# KiCad board Intro-to-CAD-2026 Shaina and Paola.kicad_pcb (continued)
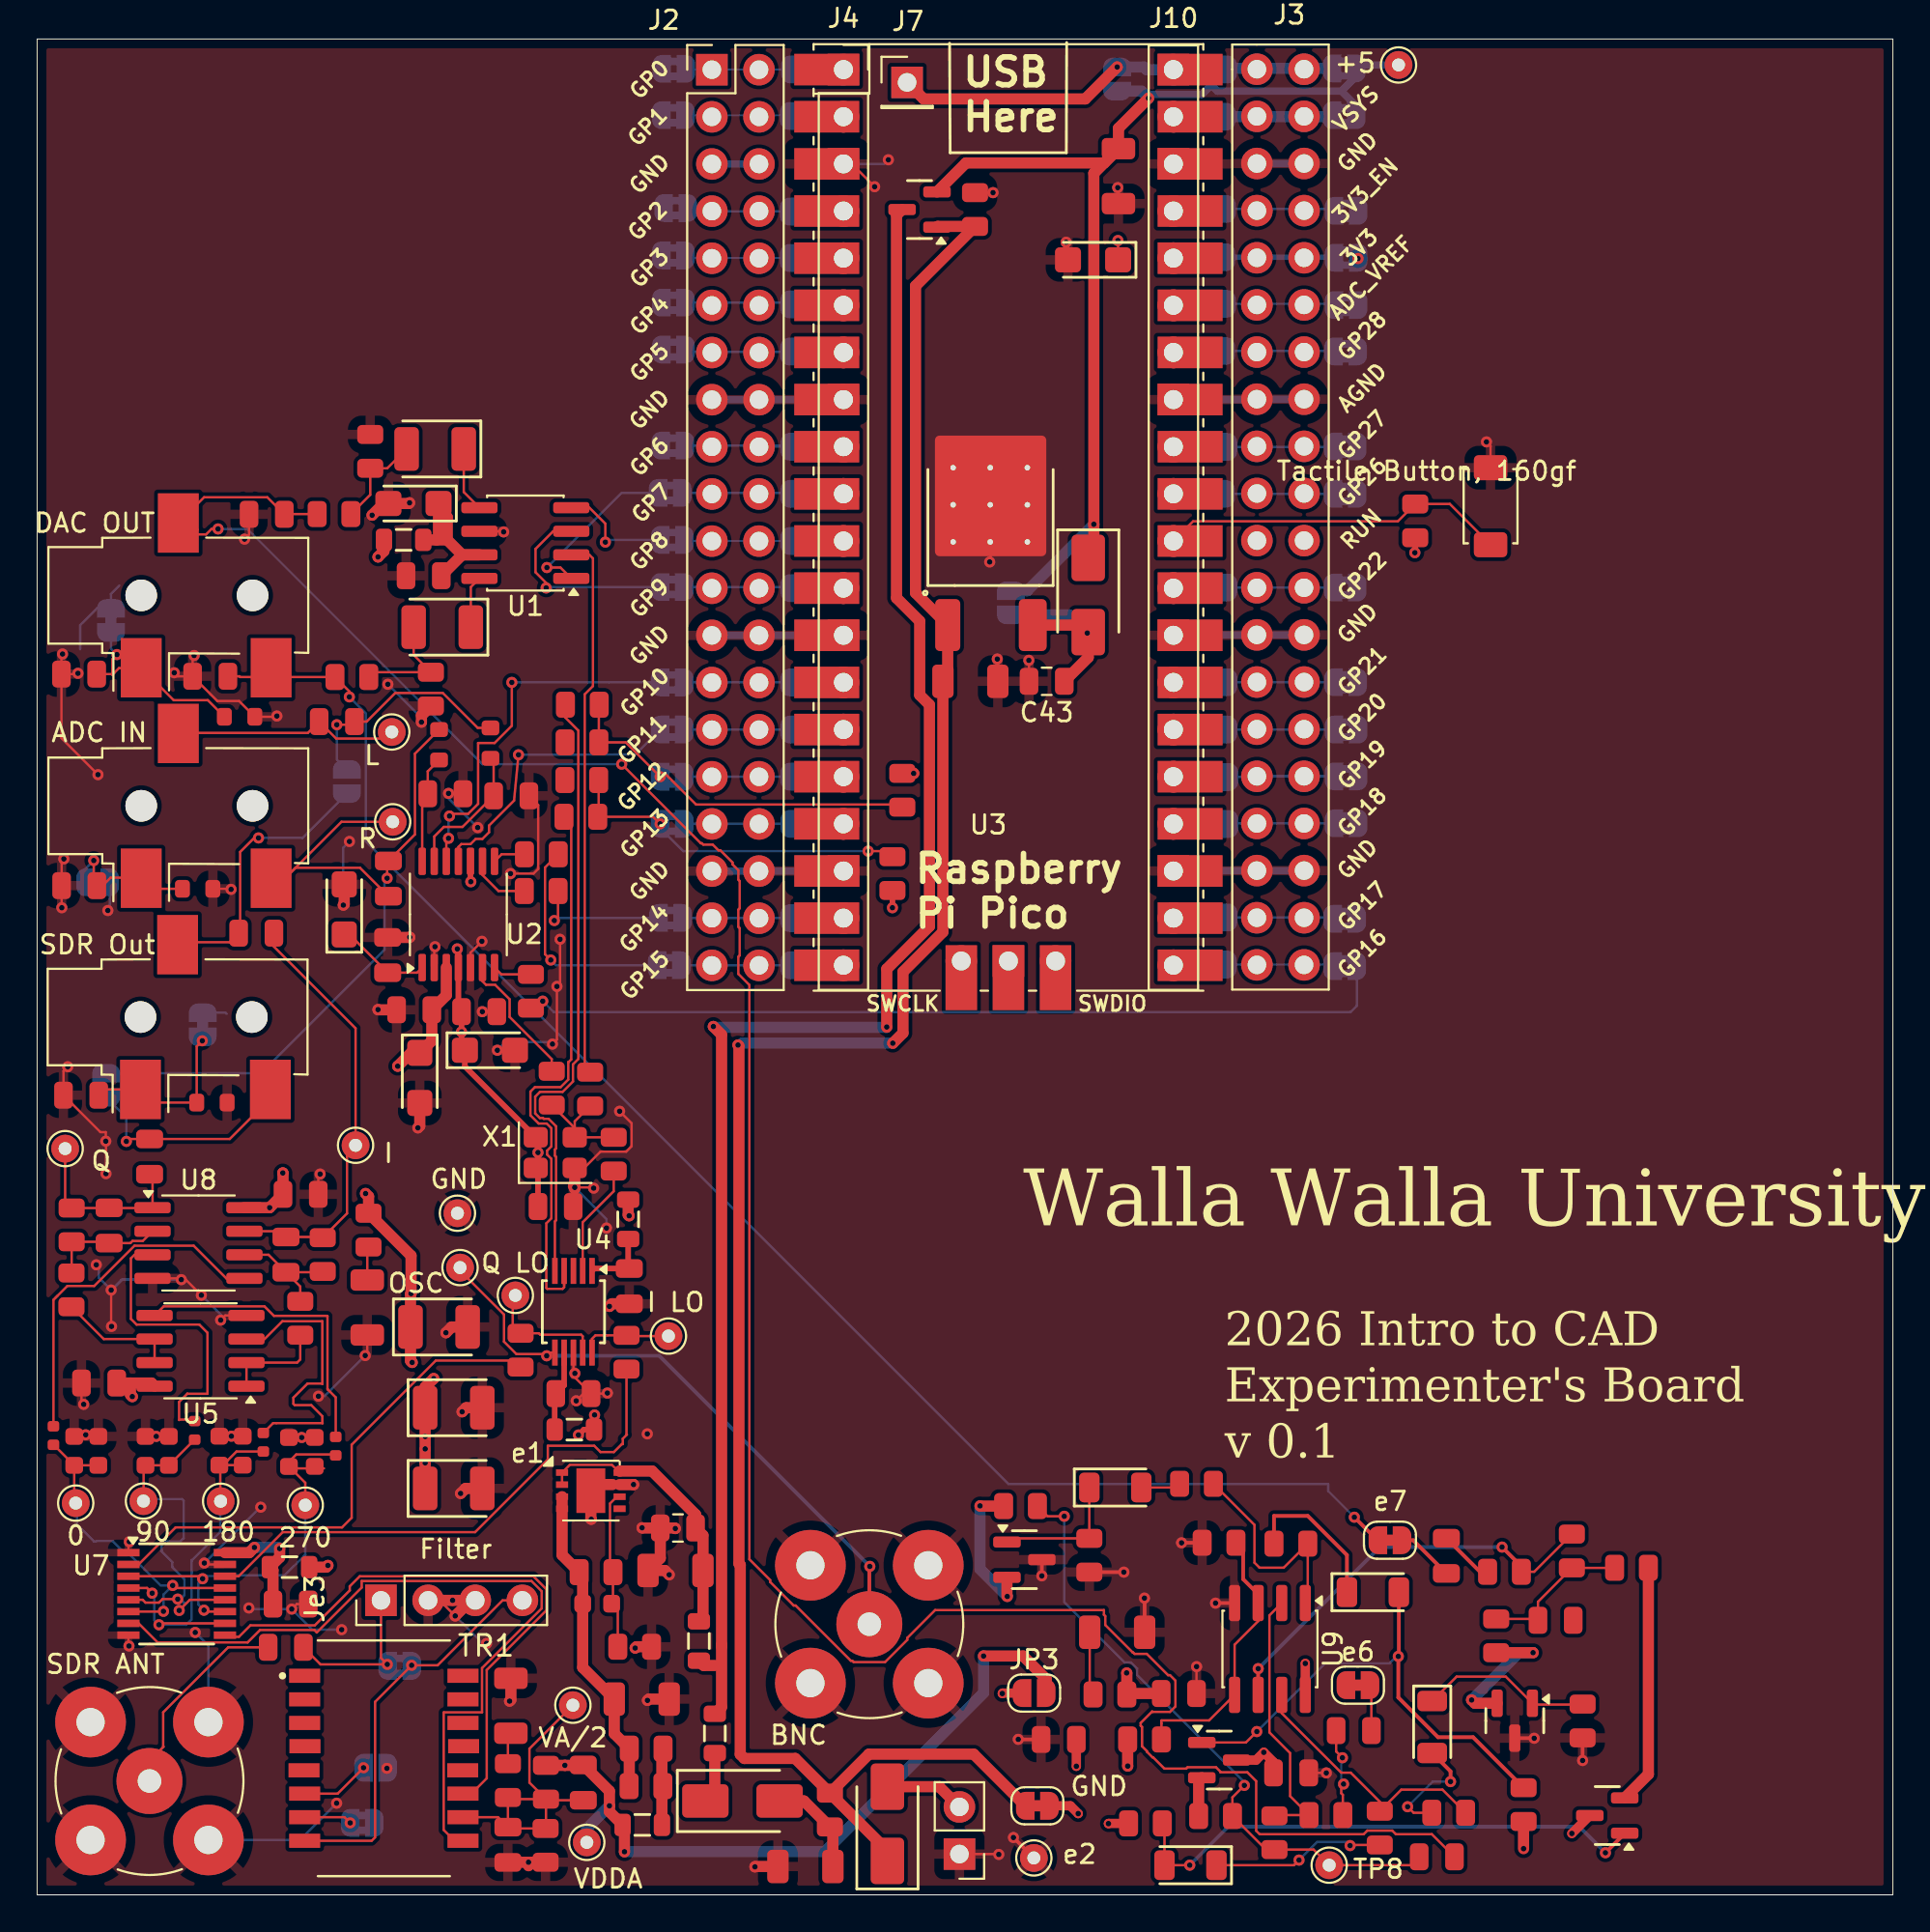
[diagram p0: board, top side]
## Footprints (pads in the part's own frame, mm; a bottom-side part is the same pattern mirrored in y, then rotated) (continued)
SOIC-8_3.9x4.9mm_P1.27mm
  rrect 1.95x0.6 smd: 1(-2.475,1.905) 2(-2.475,0.635) 3(-2.475,-0.635) 4(-2.475,-1.905) 5(2.475,-1.905) 6(2.475,-0.635) 7(2.475,0.635) 8(2.475,1.905)
SolderJumper-2_P1.3mm_Bridged2Bar_RoundedPad1.0x1.5mm
  custom 1x1.5 smd: 1(-0.65,0) 2(0.65,0)
SolderJumper-2_P1.3mm_Bridged_RoundedPad1.0x1.5mm
  custom 1x1.5 smd: 1(-0.65,0) 2(0.65,0)
SolderJumper-2_P1.3mm_Open_RoundedPad1.0x1.5mm
  custom 1x1.5 smd: 1(-0.65,0) 2(0.65,0)
SSOP-16_3.9x4.9mm_P0.635mm
  rect 1.2x0.4 smd: 1(-2.6,2.223) 2(-2.6,1.587) 3(-2.6,0.953) 4(-2.6,0.318) 5(-2.6,-0.318) 6(-2.6,-0.953) 7(-2.6,-1.587) 8(-2.6,-2.223) 9(2.6,-2.223) 10(2.6,-1.587) 11(2.6,-0.953) 12(2.6,-0.318) 13(2.6,0.318) 14(2.6,0.953) 15(2.6,1.587) 16(2.6,2.223)
SW_TS-1088-AR02016
  rrect 1.35x1.8 smd: 1(-2.075,0) 2(2.075,0)
TestPoint_THTPad_D1.5mm_Drill0.7mm
  round 1.5 hole 0.7: 1(0,0)
TO-252-2_L6.5-W6.1-P4.58-LS10.0-TL
  rrect 2.8x1.35 smd: 1(-3.48,2.29)
  rrect 2.8x1.5 smd: 3(-3.48,-2.29)
  round 0.5 hole 0.3: 4(1,2) 4(1,0) 4(1,-2) 4(3,2) 4(3,0) 4(3,-2) 4(5,2) 4(5,0) 4(5,-2)
  rrect 5x5 smd far side: 4(3,0)
  rrect 6.5x6 smd: 4(3.48,-0.02)
TSSOP-14_4.4x5mm_P0.65mm
  rrect 1.475x0.4 smd: 1(-2.862,1.95) 2(-2.862,1.3) 3(-2.862,0.65) 4(-2.862,0) 5(-2.862,-0.65) 6(-2.862,-1.3) 7(-2.862,-1.95) 8(2.862,-1.95) 9(2.862,-1.3) 10(2.862,-0.65) 11(2.862,0) 12(2.862,0.65) 13(2.862,1.3) 14(2.862,1.95)
XFMR_H1102NLT
  rect 1.67x0.76 smd: 1(-4.265,4.445) 2(-4.265,3.175) 3(-4.265,1.905) 4(-4.25,0.65) 5(-4.3,-0.65) 6(-4.265,-1.905) 7(-4.265,-3.175) 8(-4.265,-4.445) 9(4.265,-4.445) 10(4.265,-3.175) 11(4.265,-1.905) 12(4.25,-0.65) 13(4.3,0.65) 14(4.265,1.905) 15(4.265,3.175) 16(4.265,4.445)

## Nets
+3.3V: C8.1 C10.2 C39.1 C48.1 FB1.1 FB4.2 FB7.2 J2.3 J3.30 JP23.1 R15.1 R23.1 R29.1 U2.4 U2.10 X1.1 X1.4
+4.7V: C2.1 D3.1 JP2.2 JP20.1 JP21.1 JP35.2 JP50.2 Q1.2 TP25.1
/Raspberry_Pi_Pico/3V3_EN: JP22.1
GND: C2.2 C5.2 C6.2 C7.2 C8.2 C9.2 C10.1 C11.1 C12.2 C13.1 C14.2 C15.1 C16.2 C17.2 C19.2 C20.1 C22.2 C23.1 C24.2 C25.2 C26.2 C27.2 C30.1 C31.1 C33.2 C34.2 C35.2 C36.2 C37.2 C38.1 C39.2 C41.2 C42.2 C43.2 C44.2 C45.2 C48.2 C49.2 C50.1 C51.1 C52.1 C53.2 C54.2 C55.2 C56.1 C61.2 C63.2 e1.7 e1.9 e3.1 e4.1 e5.1 J2.8 J2.13 J2.18 J3.23 J3.28 J3.33 J3.38 J4.3 J4.8 J4.13 J4.18 J5.1 J8.2 J10.23 J10.28 J10.33 J10.38 J11.2 Je3.2 Je3.3 JP1.1 JP88.1 Q2.3 Q5.3 R4.1 R6.2 R14.2 R19.2 R28.2 R30.2 R31.2 R32.2 R43.2 R47.2 R52.1 S1.2 TP10.1 TP12.1 U1.6 U2.2 U2.5 U3.3 U3.8 U3.13 U3.18 U3.23 U3.28 U3.33 U3.38 U4.8 U5.4 U6.4 U7.1 U7.8 U7.15 U8.4 U9.4 X1.2
VDDA: C9.1 C13.2 C17.1 C30.2 C31.2 C32.1 C36.1 C37.1 FB3.2 FB5.2 JP3.2 R1.2 R11.1 TP26.1 U2.3 U5.8 U8.8
/BCK: JP83.2 R17.2
/CMOS Oscillator/LO_CLK: R36.1 U4.2
/CMOS Oscillator/SCKI: R35.2 U2.6
/CMOS Oscillator/SCLK: R34.1 U1.2
/DAC/VA/2: R52.2 R53.1 U9.3 U9.5
/DATA: JP82.2 R18.2
/FMT: JP78.2 U2.12
/I: C29.2 J12.R JP18.2
/I_CLK: R37.1 U7.14
/LRCK: JP77.2 U1.3
/MCLK: JP76.2 U1.4
/MD1: JP79.2 U2.11
/OSC_SCL: R25.1 U4.4
/OSC_SDA: R24.1 U4.5
/Q: C21.1 J12.T JP19.1
/Q_CLK: R38.1 U7.2
/Raspberry_Pi_Pico/ADC_VREF: JP24.1
/Raspberry_Pi_Pico/GPIO0: JP67.2
/Raspberry_Pi_Pico/GPIO1: JP68.2
/Raspberry_Pi_Pico/GPIO2: JP70.2
/Raspberry_Pi_Pico/GPIO3: JP71.2
/Raspberry_Pi_Pico/GPIO4: JP72.2
/Raspberry_Pi_Pico/GPIO5: JP73.2
/Raspberry_Pi_Pico/GPIO6: JP74.2
/Raspberry_Pi_Pico/GPIO12: JP80.2 R15.2 R24.2 R27.2
/Raspberry_Pi_Pico/GPIO13: JP81.2 R23.2 R25.2 R26.2
/Raspberry_Pi_Pico/GPIO17: JP33.1
/Raspberry_Pi_Pico/GPIO18: JP32.1
/Raspberry_Pi_Pico/GPIO19: JP31.1
/Raspberry_Pi_Pico/GPIO20: JP30.1
/Raspberry_Pi_Pico/GPIO21: JP29.1
/Raspberry_Pi_Pico/GPIO22: JP28.1
/Raspberry_Pi_Pico/GPIO26_ADC0: JP27.1
/Raspberry_Pi_Pico/GPIO27_ADC1: JP26.1
/Raspberry_Pi_Pico/GPIO28_ADC2: JP25.1
/Raspberry_Pi_Pico/RST: J10.30 R29.2 S1.1 U3.30
/SCL: R27.1
/SDA: R26.1
/SDIN: JP75.2 U1.1
/Si5351a/CLK2: J8.1 TP5.1 U4.6
/WS: JP34.1 R16.2
VAH: C41.1 D2.1 e2.2 Q1.1 R21.2 R28.1 U6.1
VAO: C56.2 C61.1 C63.1 e2.1 JP3.1 Q3.3 Q4.3 R39.1 R42.1 R46.1 R53.2 U9.8
Net-(C3-Pad2): C3.2 J1.R TP1.1
Net-(C4-Pad2): C4.2 J1.T TP2.1
Net-(C18-Pad2): C18.2 C29.1 R12.2 TP17.1 U8.7
Net-(C21-Pad2): C21.2 C28.2 R13.2 TP18.1 U8.1
Net-(C33-Pad1): C33.1 R11.2
Net-(C34-Pad1): C34.1 R10.2
Net-(C35-Pad1): C35.1 C40.1 e1.3 e1.4 R5.2 R7.1 R20.1
Net-(C42-Pad1): C42.1 D1.2 R21.1
Net-(C46-Pad2): C46.2 R22.1 R32.1
Net-(C47-Pad2): C47.2 R31.1 R33.1
Net-(C54-Pad1): C54.1 R39.2
Net-(C57-Pad2): C57.2 R44.2
Net-(C58-Pad2): C58.2 R51.1
Net-(C59-Pad1): C59.1 R40.1 R41.2 R45.2 TP8.1
Net-(C59-Pad2): C59.2 J9.R
Net-(C60-Pad1): C60.1 R48.1 R49.2 R50.2
Net-(C60-Pad2): C60.2 J9.T
Net-(D1-Pad1): D1.1 FB2.2
Net-(D4-Pad1): D4.1 R55.1
Net-(D5-Pad2): D5.2 R62.2
Net-(D6-Pad1): D6.1 R54.1
Net-(D7-Pad2): D7.2 R56.2
Net-(e1-EN): C5.1 C55.1 e1.1 e1.2 e1.8 FB6.2
Net-(e1-SENSE/ADJ): C40.2 e1.6 R5.1 R6.1
Net-(e3-B): C50.2 e3.2 J9.S R19.1
Net-(e4-B): C51.2 e4.2 J1.S R14.1
Net-(e5-B): C52.2 e5.2 J12.S R30.1
Net-(e6-A): C49.1 e6.1 R22.2
Net-(e6-B): C57.1 e6.2
Net-(e7-A): C58.1 e7.1
Net-(e7-B): C53.1 e7.2 R33.2
Net-(FB5-Pad1): FB5.1 R7.2 R20.2
Net-(J2-Pin_1): J2.1 JP51.2 JP67.1
Net-(J2-Pin_2): J2.2 JP52.2 JP68.1
Net-(J2-Pin_10): J2.10 JP58.2 JP75.1
Net-(J2-Pin_11): J2.11 JP59.2 JP76.1
Net-(J2-Pin_12): J2.12 JP60.2 JP77.1
Net-(J2-Pin_14): J2.14 JP61.2 JP78.1
Net-(J2-Pin_15): J2.15 JP62.2 JP79.1
Net-(J2-Pin_16): J2.16 JP63.2 JP80.1
Net-(J2-Pin_17): J2.17 JP64.2 JP81.1
Net-(J2-Pin_19): J2.19 JP65.2 JP82.1
Net-(J2-Pin_20): J2.20 JP66.2 JP83.1
Net-(J2-Pin_32): J2.9 JP57.2 JP74.1
Net-(J2-Pin_34): J2.7 JP56.2 JP73.1
Net-(J2-Pin_35): J2.6 JP55.2 JP72.1
Net-(J2-Pin_36): J2.5 JP54.2 JP71.1
Net-(J2-Pin_37): J2.4 JP53.2 JP70.1
Net-(J3-Pin_1): J3.40 JP20.2 JP35.1
Net-(J3-Pin_2): J3.39 JP21.2 JP36.1
Net-(J3-Pin_10): J3.31 JP27.2 JP42.1
Net-(J3-Pin_12): J3.29 JP28.2 JP43.1
Net-(J3-Pin_14): J3.27 JP29.2 JP44.1
Net-(J3-Pin_15): J3.26 JP30.2 JP45.1
Net-(J3-Pin_16): J3.25 JP31.2 JP46.1
Net-(J3-Pin_17): J3.24 JP32.2 JP47.1
Net-(J3-Pin_19): J3.22 JP33.2 JP48.1
Net-(J3-Pin_20): J3.21 JP34.2 JP49.1
Net-(J3-Pin_32): J3.32 JP26.2 JP41.1
Net-(J3-Pin_34): J3.34 JP25.2 JP40.1
Net-(J3-Pin_35): J3.35 JP24.2 JP39.1
Net-(J3-Pin_36): J3.36 JP23.2 JP38.1
Net-(J3-Pin_37): J3.37 JP22.2 JP37.1
Net-(J4-Pin_1): J4.1 JP51.1 U3.1
Net-(J4-Pin_2): J4.2 JP52.1 U3.2
Net-(J4-Pin_4): J4.4 JP53.1 U3.4
Net-(J4-Pin_5): J4.5 JP54.1 U3.5
Net-(J4-Pin_6): J4.6 JP55.1 U3.6
Net-(J4-Pin_7): J4.7 JP56.1 U3.7
Net-(J4-Pin_9): J4.9 JP57.1 U3.9
Net-(J4-Pin_10): J4.10 JP58.1 U3.10
Net-(J4-Pin_11): J4.11 JP59.1 U3.11
Net-(J4-Pin_12): J4.12 JP60.1 U3.12
Net-(J4-Pin_14): J4.14 JP61.1 U3.14
Net-(J4-Pin_15): J4.15 JP62.1 U3.15
Net-(J4-Pin_16): J4.16 JP63.1 U3.16
Net-(J4-Pin_17): J4.17 JP64.1 U3.17
Net-(J4-Pin_19): J4.19 JP65.1 U3.19
Net-(J4-Pin_20): J4.20 JP66.1 U3.20
Net-(J5-Pin_2): D2.2 J5.2
Net-(J10-Pin_1): J7.1 J10.40 JP50.1 U3.40
Net-(J10-Pin_2): J10.39 JP36.2 U3.39
Net-(J10-Pin_4): J10.37 JP37.2 U3.37
Net-(J10-Pin_5): J10.36 JP38.2 U3.36
Net-(J10-Pin_6): J10.35 JP39.2 U3.35
Net-(J10-Pin_7): J10.34 JP40.2 U3.34
Net-(J10-Pin_9): J10.32 JP41.2 U3.32
Net-(J10-Pin_10): J10.31 JP42.2 U3.31
Net-(J10-Pin_12): J10.29 JP43.2 U3.29
Net-(J10-Pin_14): J10.27 JP44.2 U3.27
Net-(J10-Pin_15): J10.26 JP45.2 U3.26
Net-(J10-Pin_16): J10.25 JP46.2 U3.25
Net-(J10-Pin_17): J10.24 JP47.2 U3.24
Net-(J10-Pin_19): J10.22 JP48.2 U3.22
Net-(J10-Pin_20): J10.21 JP49.2 U3.21
Net-(J11-In): C1.1 J11.1
Net-(JP1-B): JP1.2 TR1.7
Net-(JP2-A): C43.1 D3.2 JP2.1 U6.3
Net-(JP18-A): C3.1 JP18.1 R2.1
Net-(JP19-B): C4.1 JP19.2 R3.1
Net-(JP86-A): C1.2 Je3.1 JP86.1
Net-(JP86-B): Je3.4 JP86.2 TR1.8
Net-(JP88-B): JP88.2 TR1.6
Net-(Q1-D): FB2.1 FB6.1 Q1.3
Net-(Q2-B): D5.1 Q2.1 R43.1
Net-(Q2-E): Q2.2 R41.1
Net-(Q3-B): D4.2 Q3.1 R42.2
Net-(Q3-E): Q3.2 R40.2
Net-(Q4-B): D6.2 Q4.1 R46.2
Net-(Q4-E): Q4.2 R48.2
Net-(Q5-B): D7.1 Q5.1 R47.1
Net-(Q5-E): Q5.2 R49.1
Net-(R54-Pad2): R54.2 R56.1 U9.7
Net-(R55-Pad2): R55.2 R62.1 U9.1
Net-(TR1-C_RX): C20.2 C32.2 R1.1 R4.2 R10.1 TP11.1 TR1.10
Net-(TR1-RX+): TR1.11 U7.9
Net-(TR1-RX-): TR1.9 U7.7
Net-(U1-AOUTL): C47.1 U1.8
Net-(U1-AOUTR): C46.1 U1.5
Net-(U1-VDD): C12.1 C45.1 FB7.1 U1.7
Net-(U2-BCK): R17.1 U2.8
Net-(U2-DOUT): R18.1 U2.9
Net-(U2-LRCK): R16.1 U2.7
Net-(U2-VINL): C6.1 R2.2 U2.13
Net-(U2-VINR): C7.1 R3.2 U2.14
Net-(U2-VREF): C11.2 C44.1 U2.1
Net-(U4-CLK0): R37.2 TP3.1 U4.10
Net-(U4-CLK1): R38.2 TP4.1 U4.9
Net-(U4-VDD): C15.2 FB4.1 U4.1
Net-(U4-VDDO): C38.2 FB1.2 U4.7
Net-(U5A-+): R61.2 U5.3
Net-(U5A--): R8.1 U5.1 U5.2
Net-(U5B-+): R58.2 U5.5
Net-(U5B--): R9.1 U5.6 U5.7
Net-(U7-1B1): C16.1 C24.1 R60.1 TP14.1 U7.6 U7.13
Net-(U7-1B2): C14.1 C25.1 R59.1 TP16.1 U7.5 U7.12
Net-(U7-1B3): C19.1 C26.1 R61.1 TP6.1 U7.4 U7.10
Net-(U7-1B4): C22.1 C27.1 R58.1 TP7.1 U7.3 U7.11
Net-(U7-VCC): C23.2 FB3.1 U7.16
Net-(U8A-+): R59.2 U8.3
Net-(U8A--): C28.1 R9.2 R13.1 U8.2
Net-(U8B-+): R60.2 U8.5
Net-(U8B--): C18.1 R8.2 R12.1 U8.6
Net-(U9A--): R44.1 R45.1 U9.2
Net-(U9B--): R50.1 R51.2 U9.6
Net-(X1-OUT): R34.2 R35.1 R36.2 X1.3

Pads without a net: e1 5; TR1 1 2 3 4 5 12 13 14 15 16; U3 41 42 43; U4 3

## Via types
v1: diameter 0.6, hole 0.3, Top to Bottom, 199 vias
v2: diameter 0.5, hole 0.3, Top to In2.Cu, 10 vias

## Routing (per net, layer and track width the routed paths; a pad name or vN(x,y) marks a point on that pad's centre or on a via; arc(x,y) is an arc through that point)
+3.3V: length 28.4
  Top w0.127: v1(58.24,89.14) 58.25,89.13 C39.1
  Top w0.3: R29.1 74.26,72.34 v1(74.24,72.32) ; v1(22.64,50.97) 22.7,50.91 U2.4 22.7,47.76 C10.2 22.87,45.69 C8.1 23.05,44.64 X1.4 26.99,40.7 C48.1 ; U2.10 23.35,54.61 v1(23.37,54.59) ; 46.13,53.92 46.09,53.96 R23.1 v1(46.09,53.19) ; FB1.1 29.46,25.07 v1(29.17,24.78)
  Top w0.6: v1(47.23,60.43) 47.23,60.43 R15.1 ; v1(18.37,72.09) 18.69,72.41 FB7.2 ; FB4.2 31.85,36.64 v1(31.9,36.59)
  In2.Cu w0.3: 29,25.78 29.08,25.86 v1(30.04,25.86) 29.17,24.99 v1(29.17,24.78)
  Bottom w0.3: v1(71.18,88.17) 71.18,88.17 JP23.1
  Bottom w0.4: J2.3 J2.3
  vias: v1(22.87,46.5) v1(26.99,40)
+4.7V: length 63.2
  Top w0.6: C2.1 57.5,93.32 50.05,93.32 Q1.2 ; C2.1 56.94,92.76 v1(56.94,73.85) 56.94,72.34 D3.1 ; C2.1 58.27,95.19 v1(59.89,96.81)
  Bottom w0.127: 60.15,96.89 59.97,96.89 v1(59.89,96.81) ; 62.85,97.6 JP35.2
  Bottom w0.4: 63.27,97.51 62.77,97.01 60.09,97.01 v1(59.89,96.81) ; 63.27,97.51 62.85,97.94 JP35.2 ; 63.27,97.51 63.6,97.19 70.28,97.19 ; 70.28,97.19 71.08,96.39 JP21.1 ; 70.28,97.19 71.08,97.99 JP20.1 71.27,98.6 TP25.1
  Bottom w0.6: JP50.2 59.51,97.19 v1(59.89,96.81) ; JP2.2 53.36,70.27 v1(56.94,73.85) ; JP35.2 62.9,98.36 62.92,98.38
GND: length 263.1
  Top w0.127: v1(1.37,66.86) 1.31,66.8 C50.1 ; v1(45.13,92.04) 43.9,93.27 U3.3 ; C38.1 28.98,27.88 v1(28.98,28.1) 28.9,28.18 U4.8 ; C38.1 30.7,27.01 v1(30.73,27.04) ; C38.1 29.52,27.01 ; C38.1 29.44,27.01 v1(29.05,26.62) ; C49.2 11.42,73.29 v1(11.18,73.05) ; v1(29.99,38.08) 29.95,38.12 v1(28.97,38.12) ; C6.2 27,58.72 27,55.28 26.75,55.03 v1(25.51,55.03) ; v1(27.77,45.84) 28.01,46.08 v1(28.01,48.95) 28.18,49.12 v1(28.18,51.49) ; R14.2 10.42,54.21 v1(10.45,54.18) ; v1(9.01,17.88) 9.08,17.8 U7.15 ; v1(12.92,63.52) 12.88,63.48 R19.2 10.88,64.33 9.71,64.33 C53.2 ; v1(4.95,13.41) 4.92,13.44 U7.8 ; v1(58.23,91.99) 58.27,91.95 C2.2 ; v1(22.17,59.35) 22.19,59.33 C7.2 ; v1(62.48,12.3) 62.48,12.29 C56.1 62.48,11.35 ; v1(9.89,30.97) 10.14,31.22 U5.4 ; C53.2 7.58,65.66 v1(7.39,65.85) ; C53.2 8.38,66.7 v1(8.46,66.78) ; S1.2 78.32,78.07 v1(78.1,78.29) ; C33.2 17.79,29.17 v1(17.68,29.06) ; v1(3.99,32.59) 3.99,30.65 v1(4.01,30.63) ; R28.2 51.63,91.72 51.68,91.77 ; C41.2 51.77,66.56 v1(51.74,66.59) ; U7.1 4.92,18.98 v1(4.97,19.03) ; Je3.2 21.69,15.87 v1(22.53,15.03) ; 14.98,24.54 14.88,24.64 C27.2 ; 2.63,24.7 2.63,24.78 v1(2.62,24.79) ; 2.63,24.7 C16.2 ; 2.63,24.7 C14.2 ; C48.2 28.89,38.58 30.36,40.05 31.74,40.05 32.03,40.34 32.03,41.58 v1(31.39,42.22) ; v1(23.97,51.38) 23.35,50.76 U2.5 ; C8.2 v1(24.8,45.51) ; C43.2 53.45,66.51 v1(53.44,66.52) ; C50.1 2.16,65.78 v1(2.2,65.82) ; C50.1 1.31,62.33 v1(3.28,60.36) ; 1.71,54.46 1.71,53.87 ; U2.2 21.4,51.05 v1(21.44,51.09) ; v1(13.72,15.4) 13.99,15.67 C23.1 ; U8.4 7.7,33.22 v1(7.77,33.15) 8.01,33.15 v1(8.85,32.31) ; v1(1.33,53.19) 1.32,53.2 C51.1 1.32,55.7 v1(1.44,55.82) ; C26.2 C22.2 ; R30.2 10.4,42.69 ; v1(3.71,38.86) 3.71,40.6 v1(3.7,40.61) 3.7,41.1 3.41,41.1 C52.1 1.42,44.39 v1(1.65,44.62) ; C39.2 55.55,88.95 v1(55.45,89.05) ; 49.16,16.62 J8.2 ; v1(2.51,26.43) 2.39,26.55 C31.1 ; 68.08,7.02 C61.2 69.46,6.57 v1(69.47,6.57) ; U6.4 51.38,71.87 v1(51.33,71.82) ; 23.83,73.47 25.11,73.47 v1(25.14,73.44) ; C30.1 15.15,38.74 v1(15.25,38.84) ; C19.2 v1(6.42,24.7) C25.2 ; 83.19,8.44 83.2,8.43 ; C10.1 v1(23.99,47.59) ; 49.91,1.99 J5.1 51.8,2.2 v1(51.82,2.18)
  Top w0.2: v1(61.67,18.97) 61.67,18.97 R52.1 ; R47.2 v1(83.28,7.24) ; TP12.1 v1(52.61,3.09) ; v1(59.67,15.99) 59.68,15.98 C54.2 ; R43.2 v1(58.56,17.39) ; Q5.3 80.67,8.44 v1(80.67,8.44) ; C63.2 52.87,8.37 v1(52.87,8.38) ; 64.53,15.72 63.51,15.72 v1(63.5,15.72) ; Q2.3 v1(54.14,17.19)
  Top w0.6: v1(32.6,19.78) 32.61,19.77 C55.2 ; e1.7 32.14,22.1 v1(32.14,22.11) ; R6.2 32.3,13.37 v1(32.23,13.3) ; v1(29.86,20.24) 29.84,20.26 e1.9 30.17,22.11 31,22.11 ; v1(26.48,1.76) 26.48,1.57 ; v1(26.48,1.76) R4.1 ; v1(26.48,1.76) 25.38,1.76 C20.1 ; v1(22.03,30.29) 22.34,30.6 C17.2 ; Je3.2 Je3.3 23.37,15.87 v1(22.53,15.03) ; v1(20.07,75.01) 20.03,74.97 C45.2 18.68,74.97 v1(18.05,74.34) ; C37.2 23.09,21.9 v1(22.82,21.63) ; C36.2 23.12,26.25 v1(22.9,26.03) ; C11.1 20.07,51.59 v1(20.08,51.6) ; 28.9,38.19 v1(28.97,38.12) 28.97,38.05 X1.2 ; v1(38.68,1.51) 38.7,1.53 C42.2 ; v1(20.71,63.19) 20.71,63.55 R31.2 21.15,64.06 21.13,64.04 ; v1(34.39,19.74) 34.36,19.77 C55.2 ; v1(16.5,53.33) 16.55,53.38 C44.2 ; v1(30.84,31.71) 30.98,31.85 C15.1 ; v1(32.89,10.48) 32.96,10.55 C35.2 ; C13.1 18.38,47.69 v1(18.37,47.7) ; C55.2 33.58,18.14 C5.2 33.83,17.48 v1(34.06,17.25) ; v1(25.46,10.44) 25.53,10.51 C34.2 ; v1(20.52,41.33) 20.62,41.43 C9.2
  In2.Cu w0.6: v1(32.14,22.11) 32.14,24.1 v1(32.88,24.84)
  Bottom w0.127: v1(16.5,53.33) 16.5,56.43 v1(16.83,56.76) ; v1(9.89,30.97) 9.89,31.27 v1(8.85,32.31) ; v1(23.74,57.51) 22.17,59.08 v1(22.17,59.35) ; v1(16.14,4.94) 14.16,2.96 J11.2 ; v1(18.9,65.23) 20.71,63.42 v1(20.71,63.19) ; v1(3.19,33.95) 3.33,33.81 3.33,33.25 v1(3.99,32.59) 4.55,33.15 v1(7.77,33.15) 4.59,33.15 4.11,32.67 ; v1(3.81,53.04) 3.91,53.34 e4.1 ; v1(30.68,35.93) 30.68,36.41 v1(28.97,38.12) ; v1(22.53,15.03) 24.01,13.55 v1(24.22,13.55) ; 2.32,67.12 2.32,68.41 3.22,69.32 e3.1 3.98,70.1 4.43,70.55 ; v1(27.77,45.84) 27.65,45.96 25.25,45.96 v1(24.8,45.51) ; J11.2 9.23,13.43 v1(8.52,14.14) ; 10.21,47.47 10.15,47.53 e5.1 ; v1(16.41,14.29) 14.83,14.29 v1(13.72,15.4) 11.47,15.4 v1(11.41,15.46) ; v1(15.16,26.87) 15.49,26.87 v1(17.68,29.06) ; U3.3 45.65,93.27 v1(45.87,93.49) ; U6.4 51.36,71.85 v1(51.33,71.82) ; v1(12.05,20.89) 12.02,20.89 v1(9.01,17.88)
  Bottom w0.4: J3.23 61.25,55.19 U3.23 ; J2.18 43.44,55.16 U3.18 ; J3.38 J3.38 ; J2.8 43.44,80.56 U3.8 ; J3.33 J3.33 65.41,80.59 65.39,80.57 U3.33 ; U3.13 43.44,67.86 J2.13 ; U3.28 61.25,67.89 J3.28
  Bottom w0.6: JP88.1 18.88,6.85 v1(18.85,6.82)
  vias: v1(10.47,24.71) v1(14.26,24.64) v1(22.39,15.87) v1(51.51,91.72)
VDDA: length 70.3
  Top w0.6: 5.03,27.58 5.03,26.95 v1(5.13,26.85) ; 5.03,27.58 6.16,27.58 U5.8 ; 5.03,27.58 C31.2 ; v1(13.24,38.9) 13.25,38.89 C30.2 v1(12.53,37.03) U8.8 ; R1.2 v1(28.44,6.98) 29.41,6.98 C32.1 30.84,5.59 v1(30.84,4.8) 30.84,4.48 FB5.2 31.65,3.67 v1(31.65,2.32) ; FB3.2 15.58,17.66 v1(15.67,17.75) ; 54.37,10.87 54.37,11.63 53.14,12.87 v1(51,12.87) ; v1(20.21,28.69) 20.12,28.78 C17.1 20.12,32.37 v1(20.15,32.4) 20.15,34.44 R11.1 17.86,37.63 v1(17.7,37.79) ; 20.91,22.21 C37.1 v1(20.91,23.28) v1(20.91,24.7) C36.1 20.91,27.36 v1(21.37,27.82) ; v1(19.43,44.65) 20.15,45.37 C9.1 21.27,46.02 C13.2 22.05,48.47 U2.3
  Bottom w0.6: v1(31.65,2.32) 42.45,2.32 51,10.87 v1(51,12.87) ; v1(30.84,4.8) 29.62,3.58 TP26.1
  vias: v1(20.91,24.03)
(no net): length 14.7
  Top w0.127: 8.66,73.56 8.42,73.8 8.42,73.9 ; 16.05,65.62 10.94,65.62 10.9,65.66 10.28,65.66 ; 7.61,73.92 9,75.31 12.4,75.31 13.32,74.39 13.33,74.4 15.09,74.4
/BCK: length 12
  Top w0.127: v1(27.68,50.37) 27.37,50.68 27.37,55.36 R17.2
  Bottom w0.127: v1(27.68,50.37) 27.96,50.09 JP83.2
/CMOS Oscillator/LO_CLK: length 6.1
  Top w0.127: R36.1 31.07,37.91 29.4,36.24 U4.2
/CMOS Oscillator/SCKI: length 7.4
  Top w0.127: U2.6 24,49.23 24.19,49.04 24.68,49.04 25.46,48.25 25.46,47.3 27.73,45.04 R35.2
/CMOS Oscillator/SCLK: length 29.4
  Top w0.127: 29.95,44.48 R34.1 29.51,44.62 29.51,64.69 29.95,65.13 29.95,72.01 29.76,72.2 U1.2
/DAC/VA/2: length 14.8
  Top w0.127: R53.1 60.58,9.23 60.58,9.24 60.58,9.38 60.6,9.4 63.15,9.4 U9.5 64.53,13.48 65.8,14.75 65.8,15.72
  Top w0.2: R52.2 64.99,18.58 64.99,17.01 65.8,16.2 65.8,15.72
/DATA: length 7.3
  Top w0.127: v1(27.87,52.5) 28.07,52.7 R18.2
  Bottom w0.127: v1(27.87,52.5) 28.01,52.64 JP82.2
/FMT: length 20.1
  Top w0.127: U2.12 22.05,56.81 v1(22.17,56.93) ; v1(22.22,58.13) 22.34,58.25 23.23,58.25 23.76,58.79 23.76,62.06 24.65,62.06 25.58,63 v1(25.58,65.33)
  Bottom w0.127: JP78.2 v1(25.58,65.33) ; v1(22.17,56.93) 22.17,58.08 v1(22.22,58.13)
/I: length 14.5
  Top w0.127: 8.38,51.33 10.37,51.33 C29.2 ; 10.83,51.48 10.86,51.51 C29.2 ; C29.2 10.94,51.9 10.94,56.19 11.7,56.95 v1(11.93,56.95)
  Bottom w0.127: v1(11.93,56.95) 14.3,56.95 JP18.2
/I_CLK: length 29.2
  Top w0.127: U7.14 10.86,17.17 13.24,19.54 23.6,19.54 27.52,23.46 27.52,24.2 30.02,24.2 30.36,23.86 31.08,23.86 31.51,24.29 31.56,24.29 31.56,24.58 31.78,24.8 31.76,24.82 R37.1
/LRCK: length 10.8
  Top w0.127: U1.3 27.81,73.47 26.86,72.52 26.86,71.27 27.43,70.69 v1(27.43,70.42)
  Bottom w0.127: v1(27.43,70.42) 27.72,70.42 27.77,70.47 JP77.2
/MCLK: length 6.2
  Top w0.127: v1(30.62,72.89) 30.62,73.88 29.76,74.74 U1.4
  Bottom w0.127: JP76.2 30.74,73.01 v1(30.62,72.89)
/MD1: length 15.7
  Top w0.127: v1(25.94,61.43) 25.7,58.96 24.35,57.62 24.35,57.26 23.99,56.9 23.63,56.9 23.36,56.62 22.86,56.62 22.7,56.46 U2.11
  Bottom w0.127: JP79.2 32.23,61.45 v1(25.94,61.43)
/OSC_SCL: length 31
  Top w0.127: 28.4,32.84 U4.4 28.4,32.74 28.31,32.66 27.49,32.66 27.44,32.7 27.44,36.18 27.71,36.46 27.71,39.66 27.48,39.89 27.48,40.1 27.71,40.33 27.71,41.31 27.46,41.56 27.02,41.56 26.58,42 26.58,43.28 26.82,43.52 28.21,43.52 28.62,43.93 28.62,44.87 28.64,44.87 28.78,45.02 28.78,57.7 R25.1
/OSC_SDA: length 33.3
  Top w0.127: U4.5 27.9,36.28 27.97,36.35 27.97,39.77 27.9,39.83 27.9,40.16 27.97,40.22 27.97,41.42 27.57,41.82 27.3,41.82 27.26,41.86 27.09,41.86 26.84,42.11 26.84,43.01 27.1,43.27 28.32,43.27 28.88,43.83 28.88,44.75 29.16,45.04 29.16,62.74 28.47,63.43 R24.1
/Q: length 12.7
  Top w0.127: 13.38,43.73 10.38,40.73 C21.1 4.94,40.73 v1(4.81,40.6)
  Bottom w0.127: JP19.1 4.81,41.88 v1(4.81,40.6)
/Q_CLK: length 27.7
  Top w0.127: U7.2 5.47,17.8 7.46,19.8 16.43,19.8 16.95,20.32 16.95,24.26 21.48,28.79 25.72,28.79
/Raspberry_Pi_Pico/GPIO12: length 19.6
  Top w0.127: 33.86,60.4 35.51,58.75 46.48,58.75 R15.2 ; R24.2 30.27,64.11 R27.2 31.72,62.1 v1(33.57,60.25)
  Bottom w0.127: 33.54,60.28 v1(33.57,60.25)
/Raspberry_Pi_Pico/GPIO13: length 19.5
  Top w0.127: v1(33.57,57.71) 33.19,58.09 R25.2 30.26,58.14 R26.2 ; v1(44.78,56.24) 45.79,56.24 R23.2 45.64,56.39
  Bottom w0.127: v1(44.78,56.24) 34.81,56.24 33.57,57.48 v1(33.57,57.71)
/Raspberry_Pi_Pico/RST: length 18.8
  Top w0.127: S1.1 76.12,74.94 R29.2 73.33,74.01 62.29,74.01 U3.30